# KiCad board OpenDeck-r2.2.1.kicad_pcb
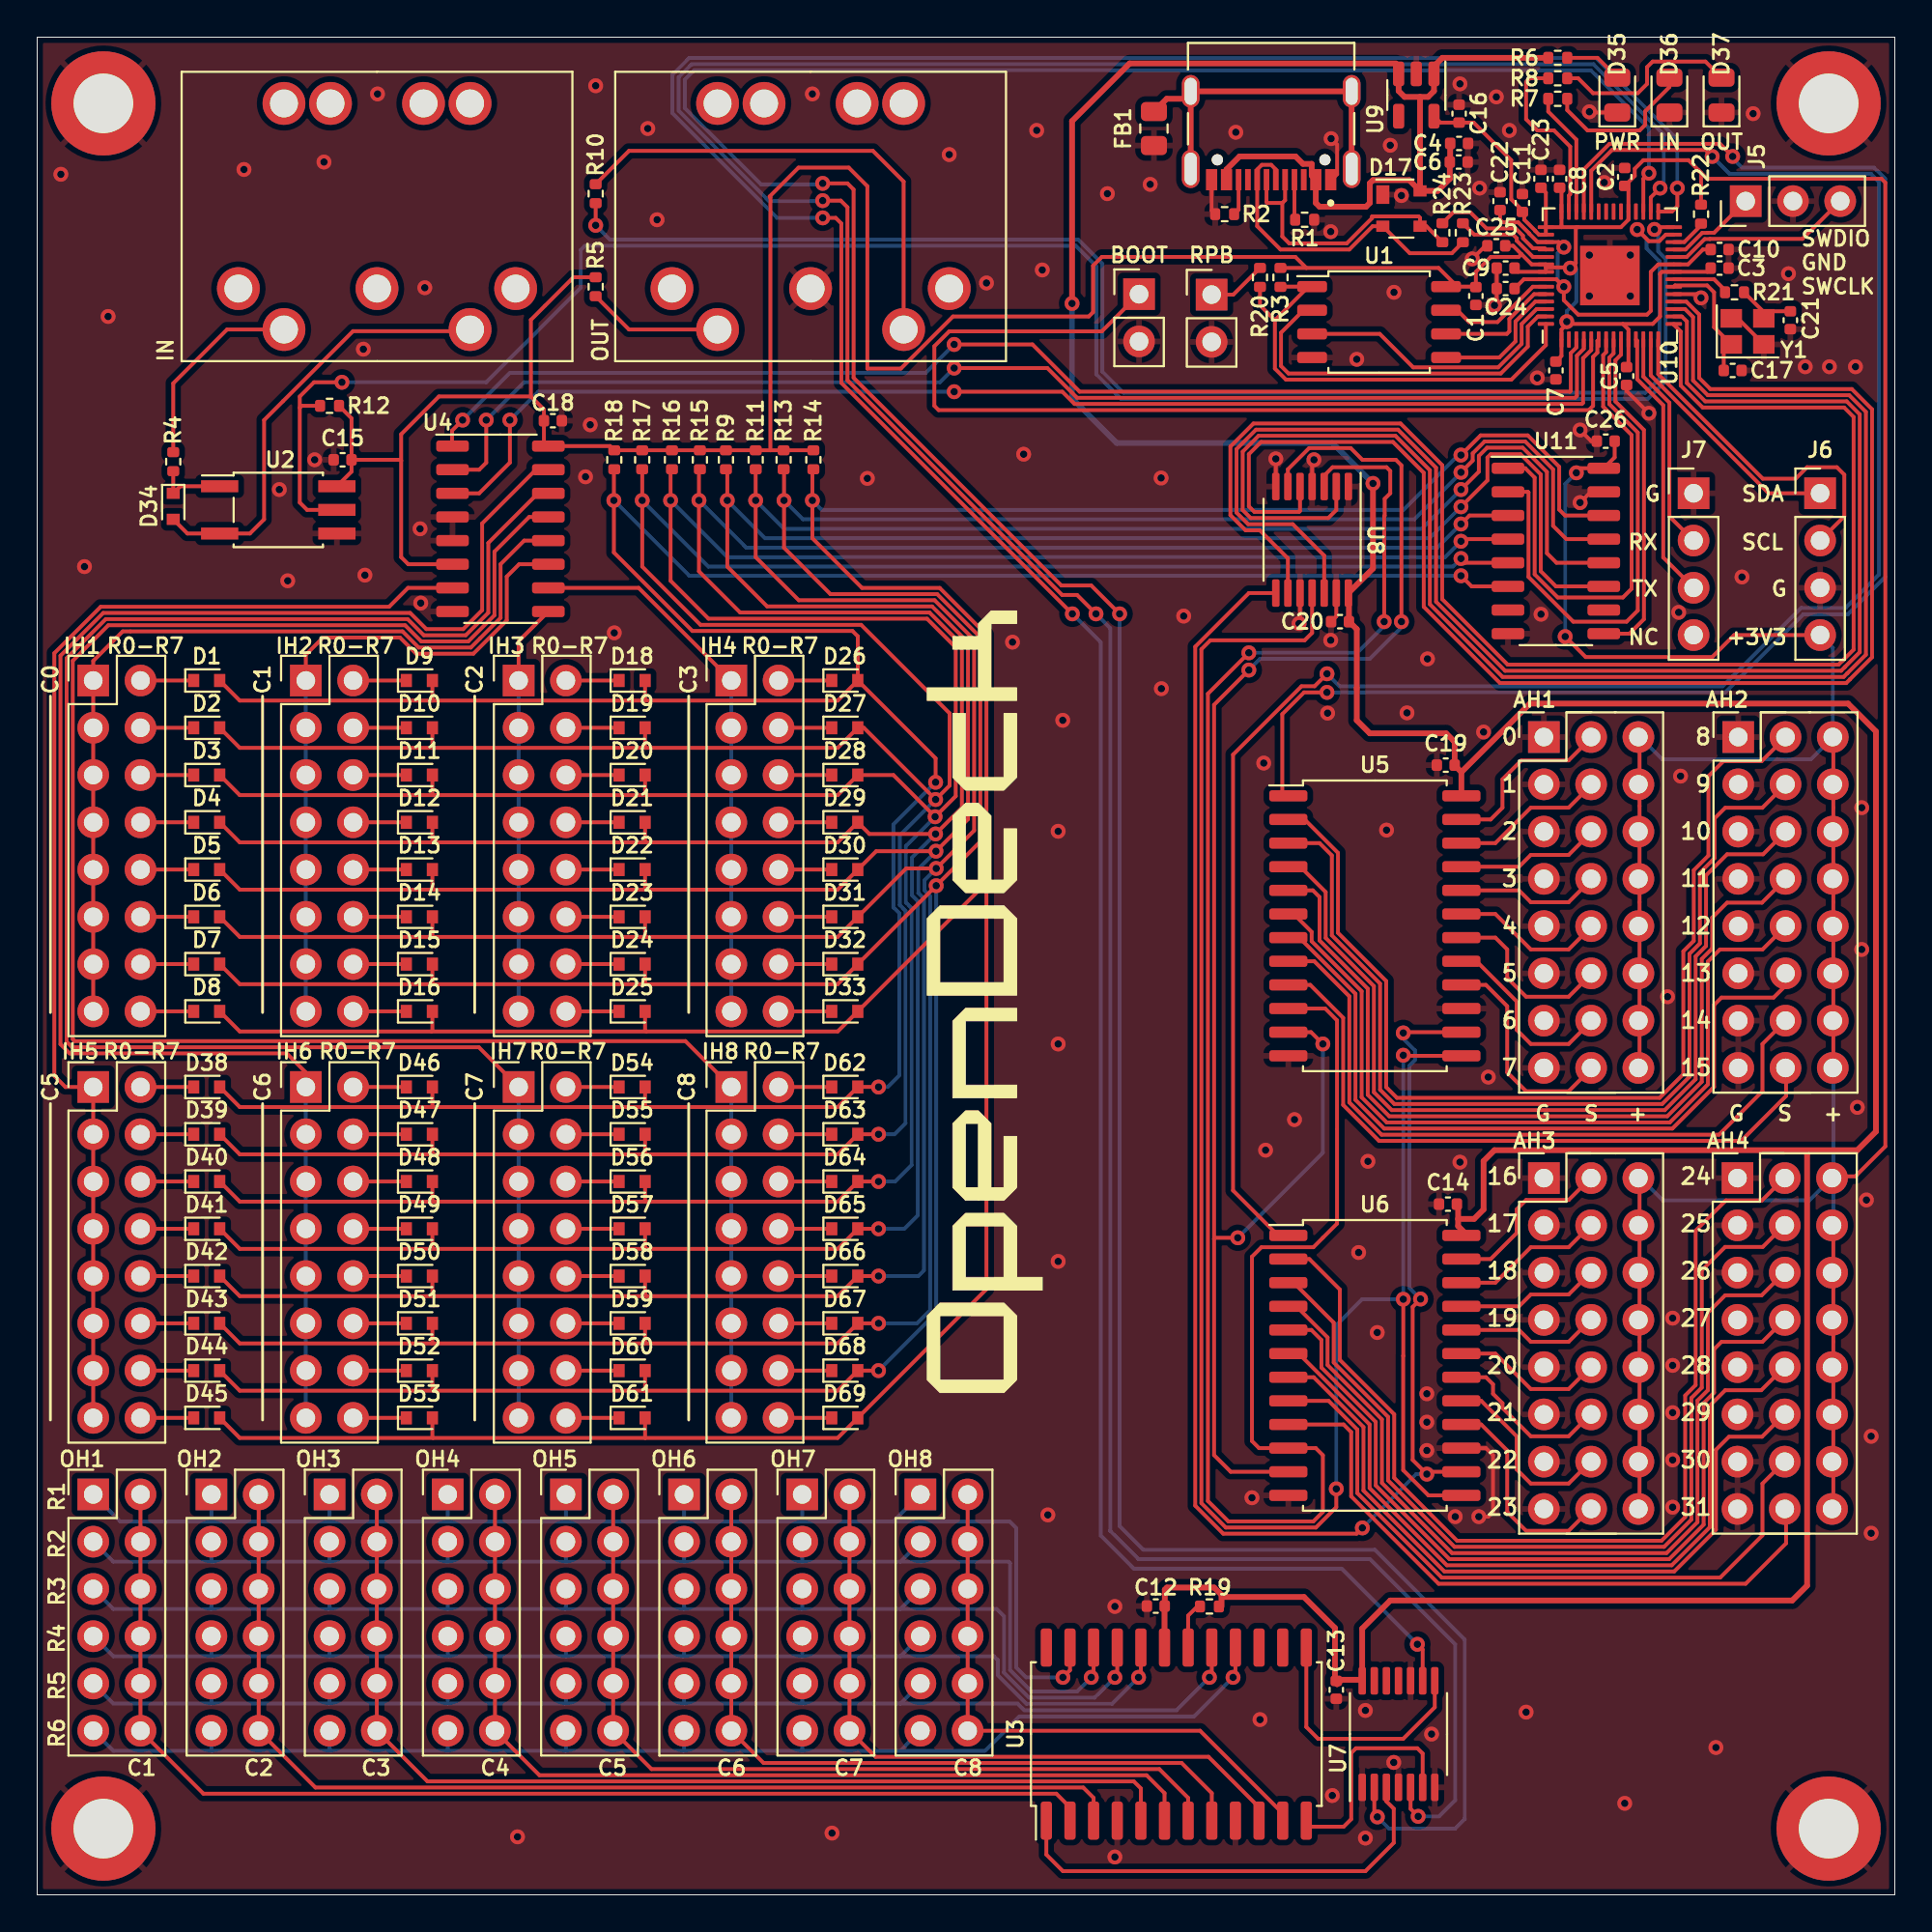
[diagram p0: board, top side]
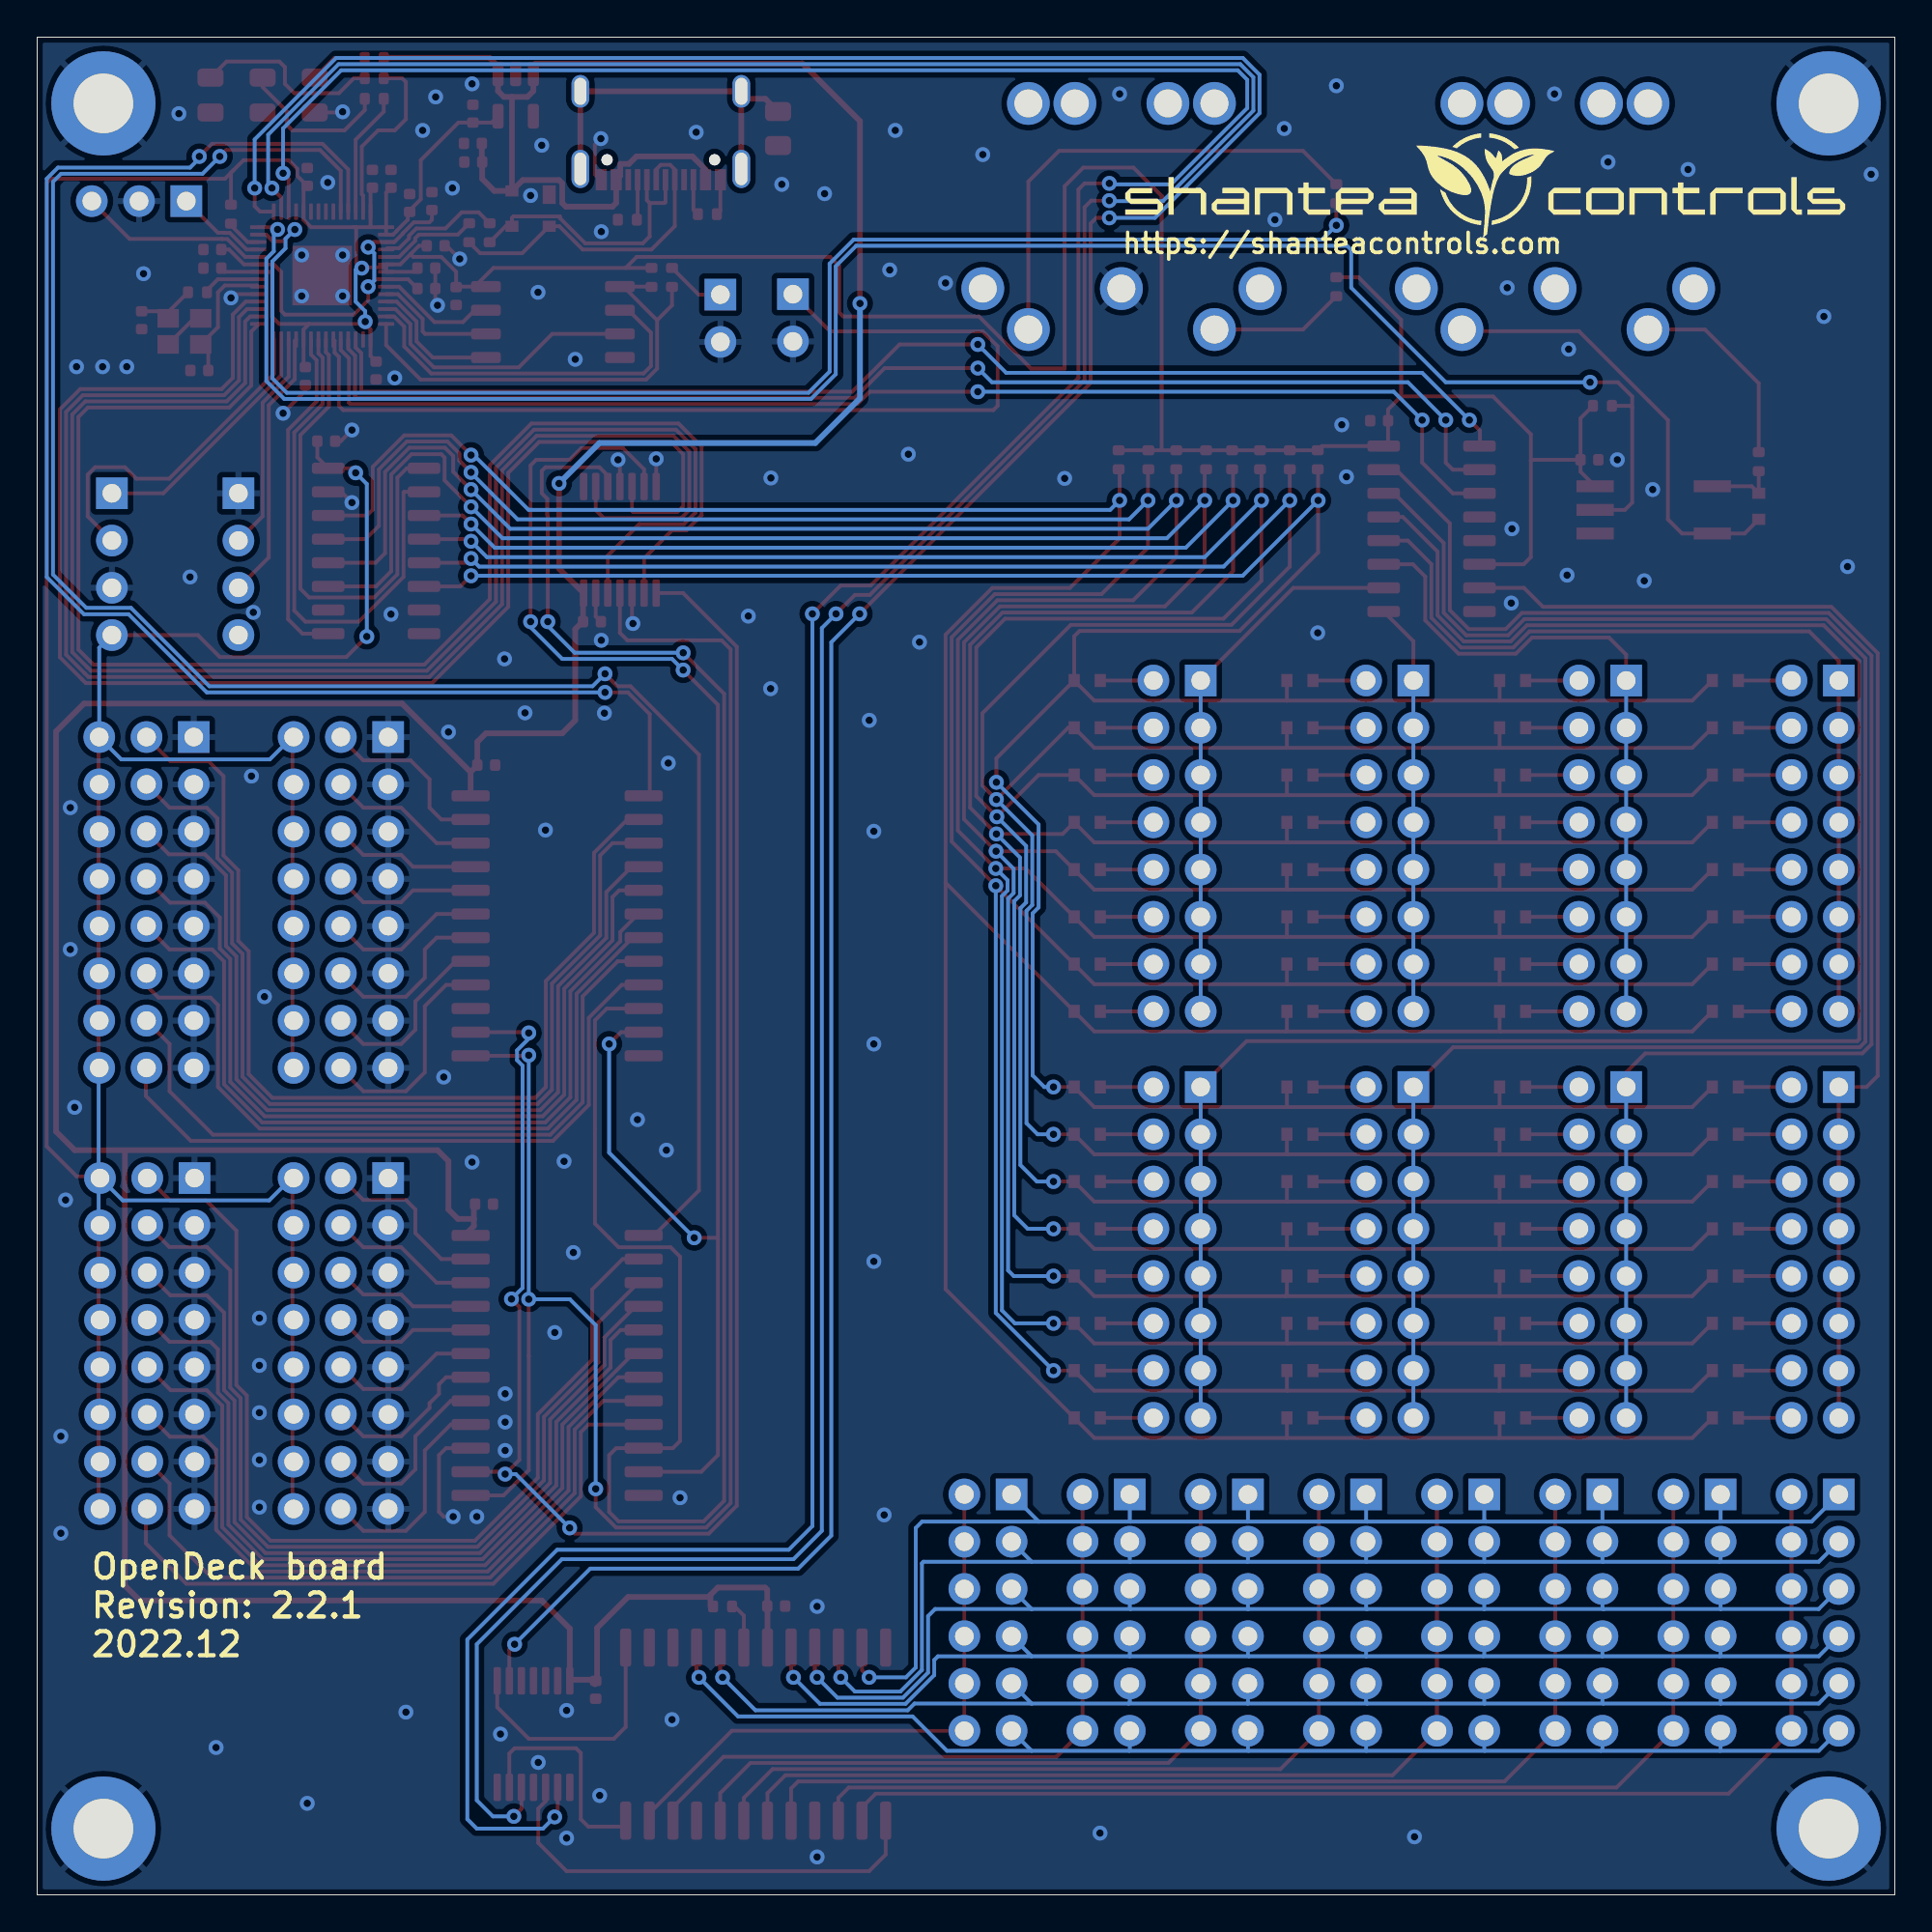
[diagram p1: board, bottom side, seen from below]

Outline 99.82 x 99.82 mm; copper layers: Top, Bottom. Coordinates in mm from the lower left corner of the outline.
Outline path: 0,99.82 99.82,99.82 99.82,0 0,0 0,99.82
Stack: Top 0.035mm / dielectric 1.51mm FR4 er 4.5 / Bottom 0.035mm

## Placement (name value [footprint] x y rotation side)
AH1  -  [3x08]  80.96 62.21 0 top
AH2  -  [3x08]  91.41 62.21 0 top
AH3  -  [3x08]  80.96 38.51 0 top
AH4  -  [3x08]  91.37 38.51 0 top
C1  100n  [C_0402_1005Metric]  77.31 85.91 270 top
C2  100n  [C_0402_1005Metric]  85.31 92.31 90 top
C3  100n  [C_0402_1005Metric]  90.41 87.41 0 top
C4  10u  [C_0402_1005Metric]  76.41 94.11 180 top
C5  100n  [C_0402_1005Metric]  85.41 81.61 270 top
C6  100n  [C_0402_1005Metric]  76.39 93.11 180 top
C7  100n  [C_0402_1005Metric]  81.61 81.91 270 top
C8  100n  [C_0402_1005Metric]  81.81 92.21 90 top
C9  100n  [C_0402_1005Metric]  78.91 87.41 180 top
C10  100n  [C_0402_1005Metric]  90.41 88.41 180 top
C11  1u  [C_0402_1005Metric]  79.81 90.91 90 top
C12  100n  [C_0402_1005Metric]  60.11 15.51 0 top
C13  100n  [C_0402_1005Metric]  69.81 11.01 90 top
C14  100n  [C_0402_1005Metric]  75.81 37.11 0 top
C15  100n  [C_0402_1005Metric]  16.41 77.11 0 top
C16  1u  [C_0402_1005Metric]  76.41 95.71 270 top
C17  16p  [C_0402_1005Metric]  91.11 81.91 0 top
C18  100n  [C_0402_1005Metric]  27.71 79.21 180 top
C19  100n  [C_0402_1005Metric]  75.69 60.71 0 top
C20  100n  [C_0402_1005Metric]  70.01 68.41 0 top
C21  16p  [C_0402_1005Metric]  94.21 84.61 90 top
C22  1u  [C_0402_1005Metric]  78.61 91.01 270 top
C23  100n  [C_0402_1005Metric]  80.81 92.21 90 top
C24  100n  [C_0402_1005Metric]  78.91 86.31 0 top
C25  100n  [C_0402_1005Metric]  78.41 88.61 180 top
C26  100n  [C_0402_1005Metric]  84.29 78.11 0 top
D1  1N4148WT  [D_SOD-523]  9.11 65.25 0 top
D2  1N4148WT  [D_SOD-523]  9.11 62.71 0 top
D3  1N4148WT  [D_SOD-523]  9.11 60.17 0 top
D4  1N4148WT  [D_SOD-523]  9.11 57.63 0 top
D5  1N4148WT  [D_SOD-523]  9.11 55.09 0 top
D6  1N4148WT  [D_SOD-523]  9.11 52.55 0 top
D7  1N4148WT  [D_SOD-523]  9.11 50.01 0 top
D8  1N4148WT  [D_SOD-523]  9.11 47.47 0 top
D9  1N4148WT  [D_SOD-523]  20.54 65.25 0 top
D10  1N4148WT  [D_SOD-523]  20.54 62.71 0 top
D11  1N4148WT  [D_SOD-523]  20.54 60.17 0 top
D12  1N4148WT  [D_SOD-523]  20.54 57.63 0 top
D13  1N4148WT  [D_SOD-523]  20.54 55.09 0 top
D14  1N4148WT  [D_SOD-523]  20.54 52.55 0 top
D15  1N4148WT  [D_SOD-523]  20.54 50.01 0 top
D16  1N4148WT  [D_SOD-523]  20.54 47.47 0 top
D17  PRTR5V0U2X  [SOT-143]  73.31 90.61 0 top
D18  1N4148WT  [D_SOD-523]  31.97 65.25 0 top
D19  1N4148WT  [D_SOD-523]  31.97 62.71 0 top
D20  1N4148WT  [D_SOD-523]  31.97 60.17 0 top
D21  1N4148WT  [D_SOD-523]  31.97 57.63 0 top
D22  1N4148WT  [D_SOD-523]  31.97 55.09 0 top
D23  1N4148WT  [D_SOD-523]  31.97 52.55 0 top
D24  1N4148WT  [D_SOD-523]  31.97 50.01 0 top
D25  1N4148WT  [D_SOD-523]  31.97 47.47 0 top
D26  1N4148WT  [D_SOD-523]  43.4 65.25 0 top
D27  1N4148WT  [D_SOD-523]  43.4 62.71 0 top
D28  1N4148WT  [D_SOD-523]  43.4 60.17 0 top
D29  1N4148WT  [D_SOD-523]  43.4 57.63 0 top
D30  1N4148WT  [D_SOD-523]  43.4 55.09 0 top
D31  1N4148WT  [D_SOD-523]  43.4 52.55 0 top
D32  1N4148WT  [D_SOD-523]  43.4 50.01 0 top
D33  1N4148WT  [D_SOD-523]  43.4 47.47 0 top
D34  1N4148WT  [D_SOD-523]  7.31 74.61 270 top
D35  Red  [LED_0805_2012Metric]  84.91 96.71 90 top
D36  Green  [LED_0805_2012Metric]  87.71 96.71 90 top
D37  Blue  [LED_0805_2012Metric]  90.51 96.71 90 top
D38  1N4148WT  [D_SOD-523]  9.11 43.41 0 top
D39  1N4148WT  [D_SOD-523]  9.11 40.87 0 top
D40  1N4148WT  [D_SOD-523]  9.11 38.33 0 top
D41  1N4148WT  [D_SOD-523]  9.11 35.79 0 top
D42  1N4148WT  [D_SOD-523]  9.11 33.25 0 top
D43  1N4148WT  [D_SOD-523]  9.11 30.71 0 top
D44  1N4148WT  [D_SOD-523]  9.11 28.17 0 top
D45  1N4148WT  [D_SOD-523]  9.11 25.63 0 top
D46  1N4148WT  [D_SOD-523]  20.54 43.41 0 top
D47  1N4148WT  [D_SOD-523]  20.54 40.87 0 top
D48  1N4148WT  [D_SOD-523]  20.54 38.33 0 top
D49  1N4148WT  [D_SOD-523]  20.54 35.79 0 top
D50  1N4148WT  [D_SOD-523]  20.54 33.25 0 top
D51  1N4148WT  [D_SOD-523]  20.54 30.71 0 top
D52  1N4148WT  [D_SOD-523]  20.54 28.17 0 top
D53  1N4148WT  [D_SOD-523]  20.54 25.63 0 top
D54  1N4148WT  [D_SOD-523]  31.97 43.41 0 top
D55  1N4148WT  [D_SOD-523]  31.97 40.87 0 top
D56  1N4148WT  [D_SOD-523]  31.97 38.33 0 top
D57  1N4148WT  [D_SOD-523]  31.97 35.79 0 top
D58  1N4148WT  [D_SOD-523]  31.97 33.25 0 top
D59  1N4148WT  [D_SOD-523]  31.97 30.71 0 top
D60  1N4148WT  [D_SOD-523]  31.97 28.17 0 top
D61  1N4148WT  [D_SOD-523]  31.97 25.63 0 top
D62  1N4148WT  [D_SOD-523]  43.4 43.41 0 top
D63  1N4148WT  [D_SOD-523]  43.4 40.87 0 top
D64  1N4148WT  [D_SOD-523]  43.4 38.33 0 top
D65  1N4148WT  [D_SOD-523]  43.4 35.79 0 top
D66  1N4148WT  [D_SOD-523]  43.4 33.25 0 top
D67  1N4148WT  [D_SOD-523]  43.4 30.71 0 top
D68  1N4148WT  [D_SOD-523]  43.4 28.17 0 top
D69  1N4148WT  [D_SOD-523]  43.4 25.63 0 top
FB1  FerriteBead  [R_0805_2012Metric]  60.01 94.91 90 top
H1  MountingHole_Pad  [MountingHole_3.2mm_M3_DIN965_Pad]  96.27 3.56 0 top
H2  MountingHole_Pad  [MountingHole_3.2mm_M3_DIN965_Pad]  96.27 96.27 0 top
H3  MountingHole_Pad  [MountingHole_3.2mm_M3_DIN965_Pad]  3.56 3.56 0 top
H4  MountingHole_Pad  [MountingHole_3.2mm_M3_DIN965_Pad]  3.56 96.27 0 top
IH1  Conn_02x08_Top_Bottom  [PinHeader_2x08_P2.54mm_Vertical]  3.01 65.25 0 top
IH2  Conn_02x08_Top_Bottom  [PinHeader_2x08_P2.54mm_Vertical]  14.43 65.25 0 top
IH3  Conn_02x08_Top_Bottom  [PinHeader_2x08_P2.54mm_Vertical]  25.87 65.25 0 top
IH4  Conn_02x08_Top_Bottom  [PinHeader_2x08_P2.54mm_Vertical]  37.3 65.25 0 top
IH5  Conn_02x08_Top_Bottom  [PinHeader_2x08_P2.54mm_Vertical]  3.01 43.41 0 top
IH6  Conn_02x08_Top_Bottom  [PinHeader_2x08_P2.54mm_Vertical]  14.43 43.41 0 top
IH7  Conn_02x08_Top_Bottom  [PinHeader_2x08_P2.54mm_Vertical]  25.87 43.41 0 top
IH8  Conn_02x08_Top_Bottom  [PinHeader_2x08_P2.54mm_Vertical]  37.3 43.41 0 top
J1  DIN-5  [DIN5]  10.81 86.31 0 top
J2  DIN-5  [DIN5]  34.11 86.31 0 top
J3  -  [TYPE-C-31-M-12]  66.31 96.91 180 top
J4  Conn_01x02  [PinHeader_1x02_P2.54mm_Vertical]  63.11 85.99 0 top
J5  Conn_01x03  [PinHeader_1x03_P2.54mm_Vertical]  91.81 91.01 90 top
J6  Conn_01x04  [PinHeader_1x04_P2.54mm_Vertical]  95.81 75.31 0 top
J7  Conn_01x04  [PinHeader_1x04_P2.54mm_Vertical]  89.01 75.31 0 top
J8  Conn_01x02  [PinHeader_1x02_P2.54mm_Vertical]  59.21 86.01 0 top
OH1  Conn_02x08_Top_Bottom  [PinHeader_2x06_P2.54mm_Vertical]  3.01 21.51 0 top
OH2  Conn_02x08_Top_Bottom  [PinHeader_2x06_P2.54mm_Vertical]  9.36 21.51 0 top
OH3  Conn_02x08_Top_Bottom  [PinHeader_2x06_P2.54mm_Vertical]  15.71 21.51 0 top
OH4  Conn_02x08_Top_Bottom  [PinHeader_2x06_P2.54mm_Vertical]  22.06 21.51 0 top
OH5  Conn_02x08_Top_Bottom  [PinHeader_2x06_P2.54mm_Vertical]  28.41 21.51 0 top
OH6  Conn_02x08_Top_Bottom  [PinHeader_2x06_P2.54mm_Vertical]  34.76 21.51 0 top
OH7  Conn_02x08_Top_Bottom  [PinHeader_2x06_P2.54mm_Vertical]  41.11 21.51 0 top
OH8  Conn_02x08_Top_Bottom  [PinHeader_2x06_P2.54mm_Vertical]  47.46 21.51 0 top
R1  5.1k  [R_0402_1005Metric]  68.11 90.01 0 top
R2  5.1k  [R_0402_1005Metric]  63.81 90.31 180 top
R3  10k  [R_0402_1005Metric]  66.81 86.91 270 top
R4  220  [R_0402_1005Metric]  7.31 77.01 270 top
R5  33  [R_0402_1005Metric]  30.01 86.41 90 top
R6  1k  [R_0402_1005Metric]  81.71 98.71 0 top
R7  680  [R_0402_1005Metric]  81.71 96.51 0 top
R8  1k  [R_0402_1005Metric]  81.71 97.61 0 top
R9  4.7k  [R_0402_1005Metric]  37.01 77.11 90 top
R10  10  [R_0402_1005Metric]  30.01 91.41 270 top
R11  4.7k  [R_0402_1005Metric]  38.61 77.11 90 top
R12  4.7k  [R_0402_1005Metric]  15.71 80.01 180 top
R13  4.7k  [R_0402_1005Metric]  40.11 77.11 90 top
R14  4.7k  [R_0402_1005Metric]  41.71 77.11 90 top
R15  4.7k  [R_0402_1005Metric]  35.61 77.11 90 top
R16  4.7k  [R_0402_1005Metric]  34.11 77.11 90 top
R17  4.7k  [R_0402_1005Metric]  32.51 77.11 90 top
R18  4.7k  [R_0402_1005Metric]  31.01 77.11 90 top
R19  10k  [R_0402_1005Metric]  62.99 15.49 180 top
R20  1k  [R_0402_1005Metric]  65.71 86.91 90 top
R21  1k  [R_0402_1005Metric]  91.21 86.11 180 top
R22  10k  [R_0402_1005Metric]  89.41 90.31 270 top
R23  27  [R_0402_1005Metric]  76.61 89.31 90 top
R24  27  [R_0402_1005Metric]  75.51 89.31 90 top
U1  W25Q128JVS  [SOIC-8_5.23x5.23mm_P1.27mm]  72.11 84.51 0 top
U2  TLP2362  [SO-5_4.4x3.6mm_P1.27mm]  12.95 74.42 0 top
U3  MAX7219  [SOIC-24W_7.5x15.4mm_P1.27mm]  61.21 8.64 90 top
U4  74HC138  [SO-16_3.9x9.9mm_P1.27mm]  24.89 73.41 0 top
U5  74HC4067  [SOIC-24W_7.5x15.4mm_P1.27mm]  71.88 52.07 0 top
U6  74HC4067  [SOIC-24W_7.5x15.4mm_P1.27mm]  71.88 28.45 0 top
U7  74HCT125  [TSSOP-14_4.4x5mm_P0.65mm]  73.15 8.64 90 top
U8  74HCT125  [TSSOP-14_4.4x5mm_P0.65mm]  68.51 72.81 270 top
U9  SPX3819M5  [SOT-23-5]  74.11 96.71 270 top
U10  RP2040  [QFN-56-1EP_7x7mm_P0.4mm_EP3.2x3.2mm]  84.51 87.01 90 top
U11  74HC165  [SO-16_3.9x9.9mm_P1.27mm]  81.61 72.21 0 top
Y1  12MHz  [Crystal_SMD_2520-4Pin_2.5x2.0mm]  91.91 84.01 0 top

## Library data of the parts
C1-C3 C5-C10 C12-C15 C18-C20 C23-C26 = -: LCSC: C1525
C4 = -: LCSC: C15525
C11 C16 C22 = -: LCSC: C52923
C17 C21 = -: LCSC: C161307
D1-D16 D18-D34 D38-D69 = -: LCSC: C232841
D17 = -: LCSC: C2827688
D35 = -: LCSC: C84256
D36 = -: LCSC: C142303
D37 = -: LCSC: C84259
FB1 = -: LCSC: C85840
J3 = -: LCSC: C165948; MANUFACTURER: HRO Electronics Co., Ltd.; MAXIMUM_PACKAGE_HEIGHT: 3.26 mm; PARTREV: 2020.12.08
R1 R2 = -: LCSC: C25905
R3 R19 R22 = -: LCSC: C25744
R4 = -: LCSC: C25091
R5 = -: LCSC: C25105
R6 R8 R20 R21 = -: LCSC: C11702
R7 = -: LCSC: C25130
R9 R11-R18 = -: LCSC: C25900
R10 = -: LCSC: C25077
R23 R24 = -: LCSC: C25100
U1 = -: LCSC: C97521
U2 = -: LCSC: C37658
U3 = -: LCSC: C9964
U4 = -: LCSC: C6818
U5 U6 = -: LCSC: C496123
U7 U8 = -: LCSC: C36365
U9 = -: LCSC: C9055
U10 = -: LCSC: C2040
U11 = -: LCSC: C5613
Y1 = -: LCSC: C254355

## Footprints (pads in the part's own frame, mm; a bottom-side part is the same pattern mirrored in y, then rotated)
3x08
  rect 1.7x1.7 hole 1: 1(0,0)
  oval 1.7x1.7 hole 1: 2(0,-2.54) 3(0,-5.08) 4(0,-7.62) 5(0,-10.16) 6(0,-12.7) 7(0,-15.24) 8(0,-17.78) 9(2.54,0) 10(2.54,-2.54) 11(2.54,-5.08) 12(2.54,-7.62) 13(2.54,-10.16) 14(2.54,-12.7) 15(2.54,-15.24) 16(2.54,-17.78) 17(5.08,0) 18(5.08,-2.54) 19(5.08,-5.08) 20(5.08,-7.62) 21(5.08,-10.16) 22(5.08,-12.7) 23(5.08,-15.24) 24(5.08,-17.78)
C_0402_1005Metric
  rrect 0.56x0.62 smd: 1(-0.48,0) 2(0.48,0)
Crystal_SMD_2520-4Pin_2.5x2.0mm
  rect 1.15x1 smd: 1(-0.875,-0.7) 2(0.875,-0.7) 3(0.875,0.7) 4(-0.875,0.7)
D_SOD-523
  rect 0.6x0.7 smd: 1(-0.7,0) 2(0.7,0)
DIN5
  round 2.3 hole 1.5: 1(0,0) 2(7.45,0) 3(14.9,0) 4(2.45,-2.2) 5(12.45,-2.2) 6(12.45,9.95) 7(2.45,9.95) 8(4.95,9.95) 9(9.95,9.95)
LED_0805_2012Metric
  rrect 0.975x1.4 smd: 1(-0.938,0) 2(0.938,0)
MountingHole_3.2mm_M3_DIN965_Pad
  round 5.6 hole 3.2: 1(0,0)
PinHeader_1x02_P2.54mm_Vertical
  rect 1.7x1.7 hole 1: 1(0,0)
  oval 1.7x1.7 hole 1: 2(0,-2.54)
PinHeader_1x03_P2.54mm_Vertical
  rect 1.7x1.7 hole 1: 1(0,0)
  oval 1.7x1.7 hole 1: 2(0,-2.54) 3(0,-5.08)
PinHeader_1x04_P2.54mm_Vertical
  rect 1.7x1.7 hole 1: 1(0,0)
  oval 1.7x1.7 hole 1: 2(0,-2.54) 3(0,-5.08) 4(0,-7.62)
PinHeader_2x06_P2.54mm_Vertical
  rect 1.7x1.7 hole 1: 1(0,0)
  oval 1.7x1.7 hole 1: 2(2.54,0) 3(0,-2.54) 4(2.54,-2.54) 5(0,-5.08) 6(2.54,-5.08) 7(0,-7.62) 8(2.54,-7.62) 9(0,-10.16) 10(2.54,-10.16) 11(0,-12.7) 12(2.54,-12.7)
PinHeader_2x08_P2.54mm_Vertical
  rect 1.7x1.7 hole 1: 1(0,0)
  oval 1.7x1.7 hole 1: 2(2.54,0) 3(0,-2.54) 4(2.54,-2.54) 5(0,-5.08) 6(2.54,-5.08) 7(0,-7.62) 8(2.54,-7.62) 9(0,-10.16) 10(2.54,-10.16) 11(0,-12.7) 12(2.54,-12.7) 13(0,-15.24) 14(2.54,-15.24) 15(0,-17.78) 16(2.54,-17.78)
QFN-56-1EP_7x7mm_P0.4mm_EP3.2x3.2mm
  rrect 1.29x1.29 smd: (-0.8,0.8) (-0.8,-0.8) (0.8,0.8) (0.8,-0.8)
  rrect 0.875x0.2 smd: 1(-3.438,2.6) 2(-3.438,2.2) 3(-3.438,1.8) 4(-3.438,1.4) 5(-3.438,1) 6(-3.438,0.6) 7(-3.438,0.2) 8(-3.438,-0.2) 9(-3.438,-0.6) 10(-3.438,-1) 11(-3.438,-1.4) 12(-3.438,-1.8) 13(-3.438,-2.2) 14(-3.438,-2.6) 29(3.438,-2.6) 30(3.438,-2.2) 31(3.438,-1.8) 32(3.438,-1.4) 33(3.438,-1) 34(3.438,-0.6) 35(3.438,-0.2) 36(3.438,0.2) 37(3.438,0.6) 38(3.438,1) 39(3.438,1.4) 40(3.438,1.8) 41(3.438,2.2) 42(3.438,2.6)
  rrect 0.2x0.875 smd: 15(-2.6,-3.438) 16(-2.2,-3.438) 17(-1.8,-3.438) 18(-1.4,-3.438) 19(-1,-3.438) 20(-0.6,-3.438) 21(-0.2,-3.438) 22(0.2,-3.438) 23(0.6,-3.438) 24(1,-3.438) 25(1.4,-3.438) 26(1.8,-3.438) 27(2.2,-3.438) 28(2.6,-3.438) 43(2.6,3.438) 44(2.2,3.438) 45(1.8,3.438) 46(1.4,3.438) 47(1,3.438) 48(0.6,3.438) 49(0.2,3.438) 50(-0.2,3.438) 51(-0.6,3.438) 52(-1,3.438) 53(-1.4,3.438) 54(-1.8,3.438) 55(-2.2,3.438) 56(-2.6,3.438)
  rect 3.2x3.2 smd: 57(0,0)
R_0402_1005Metric
  rrect 0.54x0.64 smd: 1(-0.51,0) 2(0.51,0)
R_0805_2012Metric
  rrect 1.025x1.4 smd: 1(-0.912,0) 2(0.912,0)
SO-5_4.4x3.6mm_P1.27mm
  rect 2x0.64 smd: 1(-3.15,1.27) 3(-3.15,-1.27) 4(3.15,-1.27) 5(3.15,0) 6(3.15,1.27)
SO-16_3.9x9.9mm_P1.27mm
  rrect 1.75x0.6 smd: 1(-2.575,4.445) 2(-2.575,3.175) 3(-2.575,1.905) 4(-2.575,0.635) 5(-2.575,-0.635) 6(-2.575,-1.905) 7(-2.575,-3.175) 8(-2.575,-4.445) 9(2.575,-4.445) 10(2.575,-3.175) 11(2.575,-1.905) 12(2.575,-0.635) 13(2.575,0.635) 14(2.575,1.905) 15(2.575,3.175) 16(2.575,4.445)
SOIC-8_5.23x5.23mm_P1.27mm
  rrect 1.6x0.6 smd: 1(-3.6,1.905) 2(-3.6,0.635) 3(-3.6,-0.635) 4(-3.6,-1.905) 5(3.6,-1.905) 6(3.6,-0.635) 7(3.6,0.635) 8(3.6,1.905)
SOIC-24W_7.5x15.4mm_P1.27mm
  rrect 2.05x0.6 smd: 1(-4.65,6.985) 2(-4.65,5.715) 3(-4.65,4.445) 4(-4.65,3.175) 5(-4.65,1.905) 6(-4.65,0.635) 7(-4.65,-0.635) 8(-4.65,-1.905) 9(-4.65,-3.175) 10(-4.65,-4.445) 11(-4.65,-5.715) 12(-4.65,-6.985) 13(4.65,-6.985) 14(4.65,-5.715) 15(4.65,-4.445) 16(4.65,-3.175) 17(4.65,-1.905) 18(4.65,-0.635) 19(4.65,0.635) 20(4.65,1.905) 21(4.65,3.175) 22(4.65,4.445) 23(4.65,5.715) 24(4.65,6.985)
SOT-23-5
  rrect 1.325x0.6 smd: 1(-1.137,0.95) 2(-1.137,0) 3(-1.137,-0.95) 4(1.137,-0.95) 5(1.137,0.95)
SOT-143
  rect 0.7x1 smd: 1(-1,0.75)
  rect 0.7x0.6 smd: 2(-1,-0.95) 3(1,-0.95) 4(1,0.95)
TSSOP-14_4.4x5mm_P0.65mm
  rrect 1.475x0.4 smd: 1(-2.862,1.95) 2(-2.862,1.3) 3(-2.862,0.65) 4(-2.862,0) 5(-2.862,-0.65) 6(-2.862,-1.3) 7(-2.862,-1.95) 8(2.862,-1.95) 9(2.862,-1.3) 10(2.862,-0.65) 11(2.862,0) 12(2.862,0.65) 13(2.862,1.3) 14(2.862,1.95)
TYPE-C-31-M-12
  round 0.6 hole 0.6 unplated: (-2.89,3.68) (2.89,3.68)
  rect 0.6x1.14 smd: A1/B12(-3.2,4.75) A4/B9(-2.4,4.75) B1/A12(3.2,4.75) B4/A9(2.4,4.75)
  rect 0.3x1.14 smd: A5(-1.25,4.75) A6(-0.25,4.75) A7(0.25,4.75) A8(1.25,4.75) B5(1.75,4.75) B6(0.75,4.75) B7(-0.75,4.75) B8(-1.75,4.75)
  oval 0.95x2.05 hole 0.65x1.75: S1(-4.325,4.17) S2(4.325,4.17)
  oval 0.95x1.75 hole 0.65x1.45: S3(-4.325,0) S4(4.325,0)

## Nets
+1V1: C10.2 C22.2 C24.2 U10.23 U10.45 U10.50
+3V3: AH1.17 AH1.18 AH1.19 AH1.20 AH1.21 AH1.22 AH1.23 AH1.24 AH2.17 AH2.18 AH2.19 AH2.20 AH2.21 AH2.22 AH2.23 AH2.24 AH3.17 AH3.18 AH3.19 AH3.20 AH3.21 AH3.22 AH3.23 AH3.24 AH4.17 AH4.18 AH4.19 AH4.20 AH4.21 AH4.22 AH4.23 AH4.24 C1.1 C2.1 C3.1 C5.1 C7.1 C8.1 C9.1 C11.1 C15.2 C16.2 C18.2 C23.1 C25.1 C26.2 J6.4 R3.1 R5.2 R9.2 R11.2 R12.1 R13.2 R14.2 R15.2 R16.2 R17.2 R18.2 R22.1 U1.8 U2.6 U4.6 U4.16 U9.5 U10.1 U10.10 U10.22 U10.33 U10.42 U10.43 U10.44 U10.48 U10.49 U11.16
+5V: C4.2 C6.2 C12.2 C13.2 C14.2 C19.2 C20.2 D17.4 J3.A4/B9 J3.B4/A9 R6.1 R19.1 U3.19 U5.24 U6.24 U7.14 U8.14 U9.1 U9.3
GND: AH1.1 AH1.2 AH1.3 AH1.4 AH1.5 AH1.6 AH1.7 AH1.8 AH2.1 AH2.2 AH2.3 AH2.4 AH2.5 AH2.6 AH2.7 AH2.8 AH3.1 AH3.2 AH3.3 AH3.4 AH3.5 AH3.6 AH3.7 AH3.8 AH4.1 AH4.2 AH4.3 AH4.4 AH4.5 AH4.6 AH4.7 AH4.8 C1.2 C2.2 C3.2 C4.1 C5.2 C6.1 C7.2 C8.2 C9.2 C10.1 C11.2 C12.1 C13.1 C14.1 C15.1 C16.1 C17.2 C18.1 C19.1 C20.1 C21.1 C22.1 C23.2 C24.1 C25.2 C26.1 D17.1 D35.1 D36.1 D37.1 FB1.1 H1.1 H2.1 H3.1 H4.1 J2.2 J3.A1/B12 J3.B1/A12 J4.2 J5.2 J6.3 J7.1 J8.2 R1.2 R2.2 U1.4 U2.4 U3.4 U3.9 U4.4 U4.5 U4.8 U5.12 U5.15 U6.12 U6.15 U7.1 U7.4 U7.7 U7.10 U8.1 U8.4 U8.7 U8.10 U8.13 U9.2 U10.19 U10.57 U11.8 U11.15 Y1.2 Y1.4
/Analog/A_IN_0: AH1.9 U5.23
/Analog/A_IN_1: AH1.10 U5.22
/Analog/A_IN_2: AH1.11 U5.21
/Analog/A_IN_3: AH1.12 U5.20
/Analog/A_IN_4: AH1.13 U5.19
/Analog/A_IN_5: AH1.14 U5.18
/Analog/A_IN_6: AH1.15 U5.17
/Analog/A_IN_7: AH1.16 U5.16
/Analog/A_IN_8: AH2.9 U5.2
/Analog/A_IN_9: AH2.10 U5.3
/Analog/A_IN_10: AH2.11 U5.4
/Analog/A_IN_11: AH2.12 U5.5
/Analog/A_IN_12: AH2.13 U5.6
/Analog/A_IN_13: AH2.14 U5.7
/Analog/A_IN_14: AH2.15 U5.8
/Analog/A_IN_15: AH2.16 U5.9
/Analog/A_IN_16: AH3.9 U6.23
/Analog/A_IN_17: AH3.10 U6.22
/Analog/A_IN_18: AH3.11 U6.21
/Analog/A_IN_19: AH3.12 U6.20
/Analog/A_IN_20: AH3.13 U6.19
/Analog/A_IN_21: AH3.14 U6.18
/Analog/A_IN_22: AH3.15 U6.17
/Analog/A_IN_23: AH3.16 U6.16
/Analog/A_IN_24: AH4.9 U6.2
/Analog/A_IN_25: AH4.10 U6.3
/Analog/A_IN_26: AH4.11 U6.4
/Analog/A_IN_27: AH4.12 U6.5
/Analog/A_IN_28: AH4.13 U6.6
/Analog/A_IN_29: AH4.14 U6.7
/Analog/A_IN_30: AH4.15 U6.8
/Analog/A_IN_31: AH4.16 U6.9
/Analog/MUX_S0_5V: U5.10 U6.10 U8.3
/Analog/MUX_S1_5V: U5.11 U6.11 U8.6
/Analog/MUX_S2_5V: U5.14 U6.14 U8.8
/Analog/MUX_S3_5V: U5.13 U6.13 U8.11
/BTLDR: J8.1 U10.6
/Buttons/BC_1: IH1.1 IH1.3 IH1.5 IH1.7 IH1.9 IH1.11 IH1.13 IH1.15 U4.12
/Buttons/BC_2: IH2.1 IH2.3 IH2.5 IH2.7 IH2.9 IH2.11 IH2.13 IH2.15 U4.11
/Buttons/BC_3: IH3.1 IH3.3 IH3.5 IH3.7 IH3.9 IH3.11 IH3.13 IH3.15 U4.9
/Buttons/BC_4: IH4.1 IH4.3 IH4.5 IH4.7 IH4.9 IH4.11 IH4.13 IH4.15 U4.10
/Buttons/BC_5: IH5.1 IH5.3 IH5.5 IH5.7 IH5.9 IH5.11 IH5.13 IH5.15 U4.7
/Buttons/BC_6: IH6.1 IH6.3 IH6.5 IH6.7 IH6.9 IH6.11 IH6.13 IH6.15 U4.15
/Buttons/BC_7: IH7.1 IH7.3 IH7.5 IH7.7 IH7.9 IH7.11 IH7.13 IH7.15 U4.14
/Buttons/BC_8: IH8.1 IH8.3 IH8.5 IH8.7 IH8.9 IH8.11 IH8.13 IH8.15 U4.13
/Buttons/BR_1: D1.2 D9.2 D18.2 D26.2 D38.2 D46.2 D54.2 D62.2 R18.1 U11.6
/Buttons/BR_2: D2.2 D10.2 D19.2 D27.2 D39.2 D47.2 D55.2 D63.2 R17.1 U11.5
/Buttons/BR_3: D3.2 D11.2 D20.2 D28.2 D40.2 D48.2 D56.2 D64.2 R16.1 U11.4
/Buttons/BR_4: D4.2 D12.2 D21.2 D29.2 D41.2 D49.2 D57.2 D65.2 R15.1 U11.3
/Buttons/BR_5: D8.2 D16.2 D25.2 D33.2 D45.2 D53.2 D61.2 D69.2 R14.1 U11.14
/Buttons/BR_6: D7.2 D15.2 D24.2 D32.2 D44.2 D52.2 D60.2 D68.2 R13.1 U11.13
/Buttons/BR_7: D6.2 D14.2 D23.2 D31.2 D43.2 D51.2 D59.2 D67.2 R11.1 U11.12
/Buttons/BR_8: D5.2 D13.2 D22.2 D30.2 D42.2 D50.2 D58.2 D66.2 R9.1 U11.11
/DEC_DI_A0: U4.1 U10.3
/DEC_DI_A1: U4.2 U10.4
/DEC_DI_A2: U4.3 U10.5
/LEDs/LC_1: OH1.2 OH1.4 OH1.6 OH1.8 OH1.10 OH1.12 U3.2
/LEDs/LC_2: OH2.2 OH2.4 OH2.6 OH2.8 OH2.10 OH2.12 U3.3
/LEDs/LC_3: OH3.2 OH3.4 OH3.6 OH3.8 OH3.10 OH3.12 U3.5
/LEDs/LC_4: OH4.2 OH4.4 OH4.6 OH4.8 OH4.10 OH4.12 U3.6
/LEDs/LC_5: OH5.2 OH5.4 OH5.6 OH5.8 OH5.10 OH5.12 U3.7